# EAGLE board RedBoard-GiantPanel-v21 (EAGLE 6.5.0), part 1 of 4 (continued)
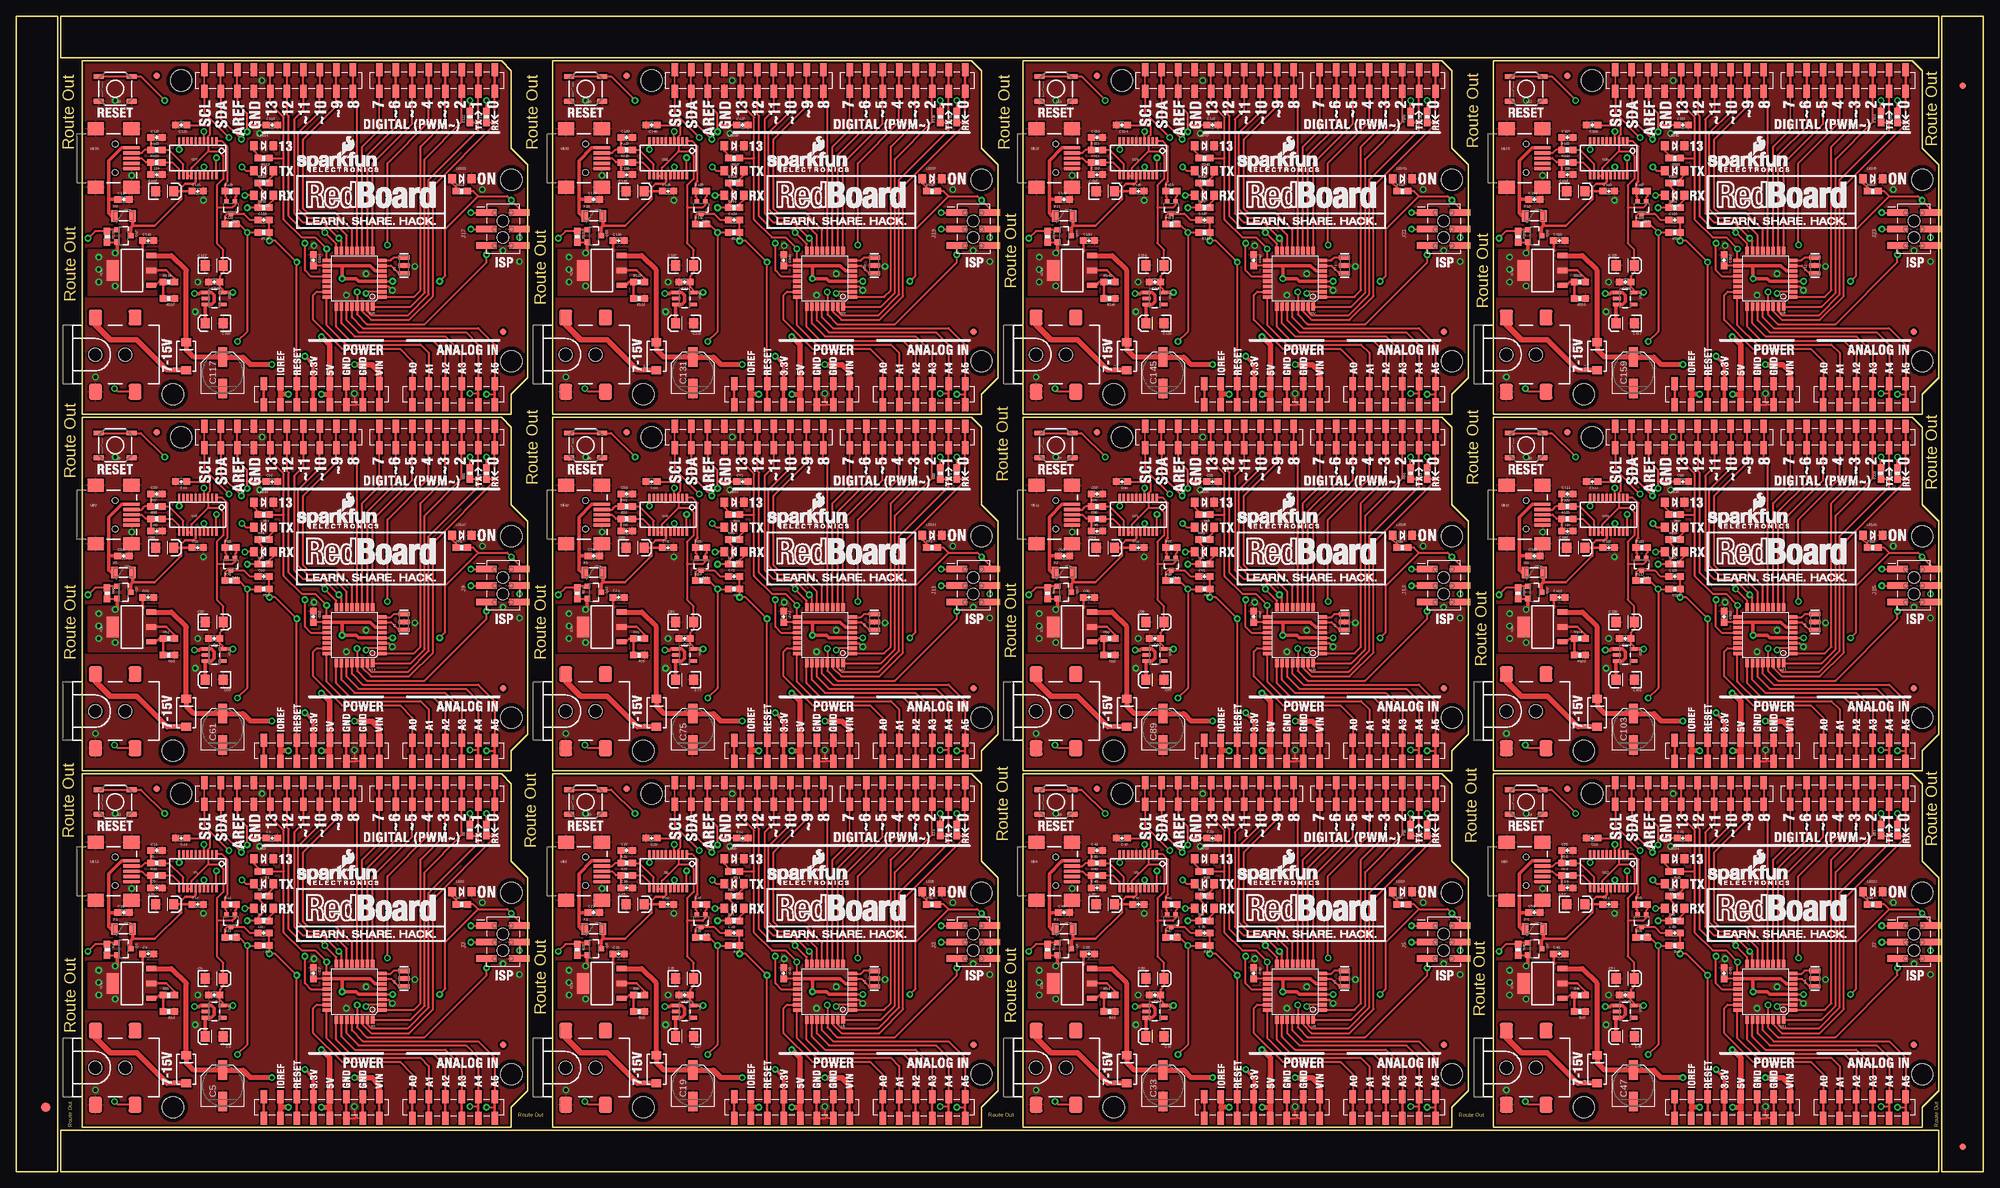
[diagram p0: board, top side]
## Placement (x,y rotation side) (continued)
JP11  STAND-OFF  [STAND-OFF]  96.52,9.91 0 top
JP12  STAND-OFF  [STAND-OFF]  148.59,14.99 0 top
JP13  STAND-OFF  [STAND-OFF]  148.59,42.93 0 top
JP14  STAND-OFF  [STAND-OFF]  97.79,58.17 0 top
JP15  FIDUCIAL1X2  [FIDUCIAL-1X2]  147.32,19.56 0 top
JP16  FIDUCIAL1X2  [FIDUCIAL-1X2]  93.98,58.93 0 top
JP17  M10SMD_COMBO  [1X10_SMD_COMBINED]  101.35,58.17 0 top
JP18  [1X08_SMD_COMBINED']  128.27,9.91 180 top
JP19  LOGO-SFENW2  [SFE-NEW-WEB]  115.6,44.07 0 top
JP20  LOGO-SFESK  [SFE-LOGO-FLAME]  122.58,46.74 0 top
JP21  STAND-OFF  [STAND-OFF]  168.91,9.91 0 top
JP22  STAND-OFF  [STAND-OFF]  220.98,14.99 0 top
JP23  STAND-OFF  [STAND-OFF]  220.98,42.93 0 top
JP24  STAND-OFF  [STAND-OFF]  170.18,58.17 0 top
JP25  FIDUCIAL1X2  [FIDUCIAL-1X2]  219.71,19.56 0 top
JP26  FIDUCIAL1X2  [FIDUCIAL-1X2]  166.37,58.93 0 top
JP27  M10SMD_COMBO  [1X10_SMD_COMBINED]  173.74,58.17 0 top
JP28  [1X08_SMD_COMBINED']  200.66,9.91 180 top
JP29  LOGO-SFENW2  [SFE-NEW-WEB]  187.99,44.07 0 top
JP30  LOGO-SFESK  [SFE-LOGO-FLAME]  194.97,46.74 0 top
JP31  STAND-OFF  [STAND-OFF]  241.3,9.91 0 top
JP32  STAND-OFF  [STAND-OFF]  293.37,14.99 0 top
JP33  STAND-OFF  [STAND-OFF]  293.37,42.93 0 top
JP34  STAND-OFF  [STAND-OFF]  242.57,58.17 0 top
JP35  FIDUCIAL1X2  [FIDUCIAL-1X2]  292.1,19.56 0 top
JP36  FIDUCIAL1X2  [FIDUCIAL-1X2]  238.76,58.93 0 top
JP37  M10SMD_COMBO  [1X10_SMD_COMBINED]  246.13,58.17 0 top
JP38  [1X08_SMD_COMBINED']  273.05,9.91 180 top
JP39  LOGO-SFENW2  [SFE-NEW-WEB]  260.38,44.07 0 top
JP40  LOGO-SFESK  [SFE-LOGO-FLAME]  267.36,46.74 0 top
JP41  STAND-OFF  [STAND-OFF]  24.13,64.77 0 top
JP42  STAND-OFF  [STAND-OFF]  76.2,69.85 0 top
JP43  STAND-OFF  [STAND-OFF]  76.2,97.79 0 top
JP44  STAND-OFF  [STAND-OFF]  25.4,113.03 0 top
JP45  FIDUCIAL1X2  [FIDUCIAL-1X2]  74.93,74.42 0 top
JP46  FIDUCIAL1X2  [FIDUCIAL-1X2]  21.59,113.79 0 top
JP47  M10SMD_COMBO  [1X10_SMD_COMBINED]  28.96,113.03 0 top
JP48  [1X08_SMD_COMBINED']  55.88,64.77 180 top
JP49  LOGO-SFENW2  [SFE-NEW-WEB]  43.21,98.93 0 top
JP50  LOGO-SFESK  [SFE-LOGO-FLAME]  50.19,101.6 0 top
JP51  STAND-OFF  [STAND-OFF]  96.52,64.77 0 top
JP52  STAND-OFF  [STAND-OFF]  148.59,69.85 0 top
JP53  STAND-OFF  [STAND-OFF]  148.59,97.79 0 top
JP54  STAND-OFF  [STAND-OFF]  97.79,113.03 0 top
JP55  FIDUCIAL1X2  [FIDUCIAL-1X2]  147.32,74.42 0 top
JP56  FIDUCIAL1X2  [FIDUCIAL-1X2]  93.98,113.79 0 top
JP57  M10SMD_COMBO  [1X10_SMD_COMBINED]  101.35,113.03 0 top
JP58  [1X08_SMD_COMBINED']  128.27,64.77 180 top
JP59  LOGO-SFENW2  [SFE-NEW-WEB]  115.6,98.93 0 top
JP60  LOGO-SFESK  [SFE-LOGO-FLAME]  122.58,101.6 0 top
JP61  STAND-OFF  [STAND-OFF]  168.91,64.77 0 top
JP62  STAND-OFF  [STAND-OFF]  220.98,69.85 0 top
JP63  STAND-OFF  [STAND-OFF]  220.98,97.79 0 top
JP64  STAND-OFF  [STAND-OFF]  170.18,113.03 0 top
JP65  FIDUCIAL1X2  [FIDUCIAL-1X2]  219.71,74.42 0 top
JP66  FIDUCIAL1X2  [FIDUCIAL-1X2]  166.37,113.79 0 top
JP67  M10SMD_COMBO  [1X10_SMD_COMBINED]  173.74,113.03 0 top
JP68  [1X08_SMD_COMBINED']  200.66,64.77 180 top
JP69  LOGO-SFENW2  [SFE-NEW-WEB]  187.99,98.93 0 top
JP70  LOGO-SFESK  [SFE-LOGO-FLAME]  194.97,101.6 0 top
JP71  STAND-OFF  [STAND-OFF]  241.3,64.77 0 top
JP72  STAND-OFF  [STAND-OFF]  293.37,69.85 0 top
JP73  STAND-OFF  [STAND-OFF]  293.37,97.79 0 top
JP74  STAND-OFF  [STAND-OFF]  242.57,113.03 0 top
JP75  FIDUCIAL1X2  [FIDUCIAL-1X2]  292.1,74.42 0 top
JP76  FIDUCIAL1X2  [FIDUCIAL-1X2]  238.76,113.79 0 top
JP77  M10SMD_COMBO  [1X10_SMD_COMBINED]  246.13,113.03 0 top
JP78  [1X08_SMD_COMBINED']  273.05,64.77 180 top
JP79  LOGO-SFENW2  [SFE-NEW-WEB]  260.38,98.93 0 top
JP80  LOGO-SFESK  [SFE-LOGO-FLAME]  267.36,101.6 0 top
JP81  STAND-OFF  [STAND-OFF]  24.13,119.63 0 top
JP82  STAND-OFF  [STAND-OFF]  76.2,124.71 0 top
JP83  STAND-OFF  [STAND-OFF]  76.2,152.65 0 top
JP84  STAND-OFF  [STAND-OFF]  25.4,167.89 0 top
JP85  FIDUCIAL1X2  [FIDUCIAL-1X2]  74.93,129.29 0 top
JP86  FIDUCIAL1X2  [FIDUCIAL-1X2]  21.59,168.66 0 top
JP87  M10SMD_COMBO  [1X10_SMD_COMBINED]  28.96,167.89 0 top
JP88  [1X08_SMD_COMBINED']  55.88,119.63 180 top
JP89  LOGO-SFENW2  [SFE-NEW-WEB]  43.21,153.8 0 top
JP90  LOGO-SFESK  [SFE-LOGO-FLAME]  50.19,156.46 0 top
JP91  STAND-OFF  [STAND-OFF]  96.52,119.63 0 top
JP92  STAND-OFF  [STAND-OFF]  148.59,124.71 0 top
JP93  STAND-OFF  [STAND-OFF]  148.59,152.65 0 top
JP94  STAND-OFF  [STAND-OFF]  97.79,167.89 0 top
JP95  FIDUCIAL1X2  [FIDUCIAL-1X2]  147.32,129.29 0 top
JP96  FIDUCIAL1X2  [FIDUCIAL-1X2]  93.98,168.66 0 top
JP97  M10SMD_COMBO  [1X10_SMD_COMBINED]  101.35,167.89 0 top
JP98  [1X08_SMD_COMBINED']  128.27,119.63 180 top
JP99  LOGO-SFENW2  [SFE-NEW-WEB]  115.6,153.8 0 top
JP100  LOGO-SFESK  [SFE-LOGO-FLAME]  122.58,156.46 0 top
JP101  STAND-OFF  [STAND-OFF]  168.91,119.63 0 top
JP102  STAND-OFF  [STAND-OFF]  220.98,124.71 0 top
JP103  STAND-OFF  [STAND-OFF]  220.98,152.65 0 top
JP104  STAND-OFF  [STAND-OFF]  170.18,167.89 0 top
JP105  FIDUCIAL1X2  [FIDUCIAL-1X2]  219.71,129.29 0 top
JP106  FIDUCIAL1X2  [FIDUCIAL-1X2]  166.37,168.66 0 top
JP107  M10SMD_COMBO  [1X10_SMD_COMBINED]  173.74,167.89 0 top
JP108  [1X08_SMD_COMBINED']  200.66,119.63 180 top
JP109  LOGO-SFENW2  [SFE-NEW-WEB]  187.99,153.8 0 top
JP110  LOGO-SFESK  [SFE-LOGO-FLAME]  194.97,156.46 0 top
JP111  STAND-OFF  [STAND-OFF]  241.3,119.63 0 top
JP112  STAND-OFF  [STAND-OFF]  293.37,124.71 0 top
JP113  STAND-OFF  [STAND-OFF]  293.37,152.65 0 top
JP114  STAND-OFF  [STAND-OFF]  242.57,167.89 0 top
JP115  FIDUCIAL1X2  [FIDUCIAL-1X2]  292.1,129.29 0 top
JP116  FIDUCIAL1X2  [FIDUCIAL-1X2]  238.76,168.66 0 top
JP117  M10SMD_COMBO  [1X10_SMD_COMBINED]  246.13,167.89 0 top
JP118  [1X08_SMD_COMBINED']  273.05,119.63 180 top
JP119  LOGO-SFENW2  [SFE-NEW-WEB]  260.38,153.8 0 top
JP120  LOGO-SFESK  [SFE-LOGO-FLAME]  267.36,156.46 0 top
LED1  Blue  [LED-1206-NO_SILK]  38.1,48.13 0 top
LED2  Green  [LED-1206-NO_SILK]  68.58,43.05 0 top
LED3  Red  [LED-1206-NO_SILK]  38.1,40.51 180 top
LED4  Yellow  [LED-1206-NO_SILK]  38.1,44.32 180 top
LED5  Green  [LED-1206-NO_SILK]  140.97,43.05 0 top
LED6  Blue  [LED-1206-NO_SILK]  110.49,48.13 0 top
LED7  Yellow  [LED-1206-NO_SILK]  110.49,44.32 180 top
LED8  Red  [LED-1206-NO_SILK]  110.49,40.51 180 top
LED9  Green  [LED-1206-NO_SILK]  213.36,43.05 0 top
LED10  Blue  [LED-1206-NO_SILK]  182.88,48.13 0 top
LED11  Yellow  [LED-1206-NO_SILK]  182.88,44.32 180 top
LED12  Red  [LED-1206-NO_SILK]  182.88,40.51 180 top
LED13  Green  [LED-1206-NO_SILK]  285.75,43.05 0 top
LED14  Blue  [LED-1206-NO_SILK]  255.27,48.13 0 top
LED15  Yellow  [LED-1206-NO_SILK]  255.27,44.32 180 top
LED16  Red  [LED-1206-NO_SILK]  255.27,40.51 180 top
LED17  Green  [LED-1206-NO_SILK]  68.58,97.92 0 top
LED18  Blue  [LED-1206-NO_SILK]  38.1,103 0 top
LED19  Yellow  [LED-1206-NO_SILK]  38.1,99.19 180 top
LED20  Red  [LED-1206-NO_SILK]  38.1,95.38 180 top
LED21  Green  [LED-1206-NO_SILK]  140.97,97.92 0 top
LED22  Blue  [LED-1206-NO_SILK]  110.49,103 0 top
LED23  Yellow  [LED-1206-NO_SILK]  110.49,99.19 180 top
LED24  Red  [LED-1206-NO_SILK]  110.49,95.38 180 top
LED25  Green  [LED-1206-NO_SILK]  213.36,97.92 0 top
LED26  Blue  [LED-1206-NO_SILK]  182.88,103 0 top
LED27  Yellow  [LED-1206-NO_SILK]  182.88,99.19 180 top
LED28  Red  [LED-1206-NO_SILK]  182.88,95.38 180 top
LED29  Green  [LED-1206-NO_SILK]  285.75,97.92 0 top
LED30  Blue  [LED-1206-NO_SILK]  255.27,103 0 top
LED31  Yellow  [LED-1206-NO_SILK]  255.27,99.19 180 top
LED32  Red  [LED-1206-NO_SILK]  255.27,95.38 180 top
LED33  Green  [LED-1206-NO_SILK]  68.58,152.78 0 top
LED34  Blue  [LED-1206-NO_SILK]  38.1,157.86 0 top
LED35  Yellow  [LED-1206-NO_SILK]  38.1,154.05 180 top
LED36  Red  [LED-1206-NO_SILK]  38.1,150.24 180 top
LED37  Green  [LED-1206-NO_SILK]  140.97,152.78 0 top
LED38  Blue  [LED-1206-NO_SILK]  110.49,157.86 0 top
LED39  Yellow  [LED-1206-NO_SILK]  110.49,154.05 180 top
LED40  Red  [LED-1206-NO_SILK]  110.49,150.24 180 top
LED41  Green  [LED-1206-NO_SILK]  213.36,152.78 0 top
LED42  Blue  [LED-1206-NO_SILK]  182.88,157.86 0 top
LED43  Yellow  [LED-1206-NO_SILK]  182.88,154.05 180 top
LED44  Red  [LED-1206-NO_SILK]  182.88,150.24 180 top
LED45  Green  [LED-1206-NO_SILK]  285.75,152.78 0 top
LED46  Blue  [LED-1206-NO_SILK]  255.27,157.86 0 top
LED47  Yellow  [LED-1206-NO_SILK]  255.27,154.05 180 top
LED48  Red  [LED-1206-NO_SILK]  255.27,150.24 180 top
Q1  ZXMP6A13FTA  [SOT23-3]  16.51,34.29 270 top
Q2  2N7002PW  [SOT323]  33.02,38.61 180 top
Q3  ZXMP6A13FTA  [SOT23-3]  88.9,34.29 270 top
Q4  2N7002PW  [SOT323]  105.41,38.61 180 top
Q5  ZXMP6A13FTA  [SOT23-3]  161.29,34.29 270 top
Q6  2N7002PW  [SOT323]  177.8,38.61 180 top
Q7  ZXMP6A13FTA  [SOT23-3]  233.68,34.29 270 top
Q8  2N7002PW  [SOT323]  250.19,38.61 180 top
Q9  ZXMP6A13FTA  [SOT23-3]  16.51,89.15 270 top
Q10  2N7002PW  [SOT323]  33.02,93.47 180 top
Q11  ZXMP6A13FTA  [SOT23-3]  88.9,89.15 270 top
Q12  2N7002PW  [SOT323]  105.41,93.47 180 top
Q13  ZXMP6A13FTA  [SOT23-3]  161.29,89.15 270 top
Q14  2N7002PW  [SOT323]  177.8,93.47 180 top
Q15  ZXMP6A13FTA  [SOT23-3]  233.68,89.15 270 top
Q16  2N7002PW  [SOT323]  250.19,93.47 180 top
Q17  ZXMP6A13FTA  [SOT23-3]  16.51,144.02 270 top
Q18  2N7002PW  [SOT323]  33.02,148.34 180 top
Q19  ZXMP6A13FTA  [SOT23-3]  88.9,144.02 270 top
Q20  2N7002PW  [SOT323]  105.41,148.34 180 top
Q21  ZXMP6A13FTA  [SOT23-3]  161.29,144.02 270 top
Q22  2N7002PW  [SOT323]  177.8,148.34 180 top
Q23  ZXMP6A13FTA  [SOT23-3]  233.68,144.02 270 top
Q24  2N7002PW  [SOT323]  250.19,148.34 180 top
R1  1k  [0603-RES]  38.1,46.23 180 top
R2  1k  [0603-RES]  68.58,41.15 0 top
R3  10k  [0603-RES]  38.1,34.8 180 top
R4  10k  [0603-RES]  13.97,34.16 270 top
R5  27  [0603-RES]  21.59,47.5 0 top
R6  1k  [0603-RES]  38.1,38.61 0 top
R7  1k  [0603-RES]  38.1,42.42 0 top
R8  1k  [0603-RES]  72.39,52.58 90 top
R9  1k  [0603-RES]  69.85,52.58 90 top
R10  27  [0603-RES]  21.59,45.59 0 top
R11  10k  [0603-RES]  33.02,41.15 0 top
R12  10k  [0603-RES]  33.02,36.07 0 top
R13  1k  [0603-RES]  110.49,46.23 180 top
R14  715  [0603-RES]  23.5,24.64 180 top
R15  240  [0603-RES]  23.5,27.18 0 top
R16  1k  [0603-RES]  140.97,41.15 0 top
R17  10k  [0603-RES]  110.49,34.8 180 top
R18  10k  [0603-RES]  86.36,34.16 270 top
R19  715  [0603-RES]  95.89,24.64 180 top
R20  240  [0603-RES]  95.89,27.18 0 top
R21  1k  [0603-RES]  110.49,38.61 0 top
R22  1k  [0603-RES]  110.49,42.42 0 top
R23  1k  [0603-RES]  144.78,52.58 90 top
R24  1k  [0603-RES]  142.24,52.58 90 top
R25  27  [0603-RES]  93.98,47.5 0 top
R26  27  [0603-RES]  93.98,45.59 0 top
R27  10k  [0603-RES]  105.41,41.15 0 top
R28  10k  [0603-RES]  105.41,36.07 0 top
R29  1k  [0603-RES]  182.88,46.23 180 top
R30  1k  [0603-RES]  213.36,41.15 0 top
R31  10k  [0603-RES]  182.88,34.8 180 top
R32  10k  [0603-RES]  158.75,34.16 270 top
R33  715  [0603-RES]  168.28,24.64 180 top
R34  240  [0603-RES]  168.28,27.18 0 top
R35  1k  [0603-RES]  182.88,38.61 0 top
R36  1k  [0603-RES]  182.88,42.42 0 top
R37  1k  [0603-RES]  217.17,52.58 90 top
R38  1k  [0603-RES]  214.63,52.58 90 top
R39  27  [0603-RES]  166.37,47.5 0 top
R40  27  [0603-RES]  166.37,45.59 0 top
R41  10k  [0603-RES]  177.8,41.15 0 top
R42  10k  [0603-RES]  177.8,36.07 0 top
R43  1k  [0603-RES]  255.27,46.23 180 top
R44  1k  [0603-RES]  285.75,41.15 0 top
R45  10k  [0603-RES]  255.27,34.8 180 top
R46  10k  [0603-RES]  231.14,34.16 270 top
R47  715  [0603-RES]  240.66,24.64 180 top
R48  240  [0603-RES]  240.66,27.18 0 top
R49  1k  [0603-RES]  255.27,38.61 0 top
R50  1k  [0603-RES]  255.27,42.42 0 top
R51  1k  [0603-RES]  289.56,52.58 90 top
R52  1k  [0603-RES]  287.02,52.58 90 top
R53  27  [0603-RES]  238.76,47.5 0 top
R54  27  [0603-RES]  238.76,45.59 0 top
R55  10k  [0603-RES]  250.19,41.15 0 top
R56  10k  [0603-RES]  250.19,36.07 0 top
R57  1k  [0603-RES]  38.1,101.09 180 top
R58  1k  [0603-RES]  68.58,96.01 0 top
R59  10k  [0603-RES]  38.1,89.66 180 top
R60  10k  [0603-RES]  13.97,89.03 270 top
R61  715  [0603-RES]  23.5,79.5 180 top
R62  240  [0603-RES]  23.5,82.04 0 top
R63  1k  [0603-RES]  38.1,93.47 0 top
R64  1k  [0603-RES]  38.1,97.28 0 top
R65  1k  [0603-RES]  72.39,107.44 90 top
R66  1k  [0603-RES]  69.85,107.44 90 top
R67  27  [0603-RES]  21.59,102.36 0 top
R68  27  [0603-RES]  21.59,100.46 0 top
R69  10k  [0603-RES]  33.02,96.01 0 top
R70  10k  [0603-RES]  33.02,90.93 0 top
R71  1k  [0603-RES]  110.49,101.09 180 top
R72  1k  [0603-RES]  140.97,96.01 0 top
R73  10k  [0603-RES]  110.49,89.66 180 top
R74  10k  [0603-RES]  86.36,89.03 270 top
R75  715  [0603-RES]  95.89,79.5 180 top
R76  240  [0603-RES]  95.89,82.04 0 top
R77  1k  [0603-RES]  110.49,93.47 0 top
R78  1k  [0603-RES]  110.49,97.28 0 top
R79  1k  [0603-RES]  144.78,107.44 90 top
R80  1k  [0603-RES]  142.24,107.44 90 top
R81  27  [0603-RES]  93.98,102.36 0 top
R82  27  [0603-RES]  93.98,100.46 0 top
R83  10k  [0603-RES]  105.41,96.01 0 top
R84  10k  [0603-RES]  105.41,90.93 0 top
R85  1k  [0603-RES]  182.88,101.09 180 top
R86  1k  [0603-RES]  213.36,96.01 0 top
R87  10k  [0603-RES]  182.88,89.66 180 top
R88  10k  [0603-RES]  158.75,89.03 270 top
R89  715  [0603-RES]  168.28,79.5 180 top
R90  240  [0603-RES]  168.28,82.04 0 top
R91  1k  [0603-RES]  182.88,93.47 0 top
R92  1k  [0603-RES]  182.88,97.28 0 top
R93  1k  [0603-RES]  217.17,107.44 90 top
R94  1k  [0603-RES]  214.63,107.44 90 top
R95  27  [0603-RES]  166.37,102.36 0 top
R96  27  [0603-RES]  166.37,100.46 0 top
R97  10k  [0603-RES]  177.8,96.01 0 top
R98  10k  [0603-RES]  177.8,90.93 0 top
R99  1k  [0603-RES]  255.27,101.09 180 top
R100  1k  [0603-RES]  285.75,96.01 0 top
R101  10k  [0603-RES]  255.27,89.66 180 top
R102  10k  [0603-RES]  231.14,89.03 270 top
R103  715  [0603-RES]  240.66,79.5 180 top
R104  240  [0603-RES]  240.66,82.04 0 top
R105  1k  [0603-RES]  255.27,93.47 0 top
R106  1k  [0603-RES]  255.27,97.28 0 top
R107  1k  [0603-RES]  289.56,107.44 90 top
R108  1k  [0603-RES]  287.02,107.44 90 top
R109  27  [0603-RES]  238.76,102.36 0 top
R110  27  [0603-RES]  238.76,100.46 0 top
R111  10k  [0603-RES]  250.19,96.01 0 top
R112  10k  [0603-RES]  250.19,90.93 0 top
R113  1k  [0603-RES]  38.1,155.96 180 top
R114  1k  [0603-RES]  68.58,150.88 0 top
R115  10k  [0603-RES]  38.1,144.53 180 top
R116  10k  [0603-RES]  13.97,143.89 270 top
R117  715  [0603-RES]  23.5,134.37 180 top
R118  240  [0603-RES]  23.5,136.91 0 top
R119  1k  [0603-RES]  38.1,148.34 0 top
R120  1k  [0603-RES]  38.1,152.15 0 top
R121  1k  [0603-RES]  72.39,162.31 90 top
R122  1k  [0603-RES]  69.85,162.31 90 top
R123  27  [0603-RES]  21.59,157.23 0 top
R124  27  [0603-RES]  21.59,155.32 0 top
R125  10k  [0603-RES]  33.02,150.88 0 top
R126  10k  [0603-RES]  33.02,145.8 0 top
R127  1k  [0603-RES]  110.49,155.96 180 top
R128  1k  [0603-RES]  140.97,150.88 0 top
R129  10k  [0603-RES]  110.49,144.53 180 top
R130  10k  [0603-RES]  86.36,143.89 270 top
R131  715  [0603-RES]  95.89,134.37 180 top
R132  240  [0603-RES]  95.89,136.91 0 top
R133  1k  [0603-RES]  110.49,148.34 0 top
R134  1k  [0603-RES]  110.49,152.15 0 top
R135  1k  [0603-RES]  144.78,162.31 90 top
R136  1k  [0603-RES]  142.24,162.31 90 top
R137  27  [0603-RES]  93.98,157.23 0 top
R138  27  [0603-RES]  93.98,155.32 0 top
R139  10k  [0603-RES]  105.41,150.88 0 top
R140  10k  [0603-RES]  105.41,145.8 0 top
R141  1k  [0603-RES]  182.88,155.96 180 top
R142  1k  [0603-RES]  213.36,150.88 0 top
R143  10k  [0603-RES]  182.88,144.53 180 top
R144  10k  [0603-RES]  158.75,143.89 270 top
R145  715  [0603-RES]  168.28,134.37 180 top
R146  240  [0603-RES]  168.28,136.91 0 top
R147  1k  [0603-RES]  182.88,148.34 0 top
R148  1k  [0603-RES]  182.88,152.15 0 top
R149  1k  [0603-RES]  217.17,162.31 90 top
R150  1k  [0603-RES]  214.63,162.31 90 top
R151  27  [0603-RES]  166.37,157.23 0 top
R152  27  [0603-RES]  166.37,155.32 0 top
R153  10k  [0603-RES]  177.8,150.88 0 top
R154  10k  [0603-RES]  177.8,145.8 0 top
R155  1k  [0603-RES]  255.27,155.96 180 top
R156  1k  [0603-RES]  285.75,150.88 0 top
R157  10k  [0603-RES]  255.27,144.53 180 top
R158  10k  [0603-RES]  231.14,143.89 270 top
R159  715  [0603-RES]  240.66,134.37 180 top
R160  240  [0603-RES]  240.66,136.91 0 top
R161  1k  [0603-RES]  255.27,148.34 0 top
R162  1k  [0603-RES]  255.27,152.15 0 top
R163  1k  [0603-RES]  289.56,162.31 90 top
R164  1k  [0603-RES]  287.02,162.31 90 top
R165  27  [0603-RES]  238.76,157.23 0 top
R166  27  [0603-RES]  238.76,155.32 0 top
R167  10k  [0603-RES]  250.19,150.88 0 top
R168  10k  [0603-RES]  250.19,145.8 0 top
S1  RESET  [TACTILE_SWITCH_SMD]  15.24,56.9 180 top
S2  RESET  [TACTILE_SWITCH_SMD]  87.63,56.9 180 top
S3  RESET  [TACTILE_SWITCH_SMD]  160.02,56.9 180 top
S4  RESET  [TACTILE_SWITCH_SMD]  232.41,56.9 180 top
S5  RESET  [TACTILE_SWITCH_SMD]  15.24,111.76 180 top
S6  RESET  [TACTILE_SWITCH_SMD]  87.63,111.76 180 top
S7  RESET  [TACTILE_SWITCH_SMD]  160.02,111.76 180 top
S8  RESET  [TACTILE_SWITCH_SMD]  232.41,111.76 180 top
S9  RESET  [TACTILE_SWITCH_SMD]  15.24,166.62 180 top
S10  RESET  [TACTILE_SWITCH_SMD]  87.63,166.62 180 top
S11  RESET  [TACTILE_SWITCH_SMD]  160.02,166.62 180 top
S12  RESET  [TACTILE_SWITCH_SMD]  232.41,166.62 180 top
TP1  TP-3x5  [PAD.03X.05]  76.2,37.85 0 bottom
TP2  TP-3x5  [PAD.03X.05]  76.2,35.31 0 bottom
TP3  TP-3x5  [PAD.03X.05]  76.2,32.77 0 bottom
TP4  TP-3x5  [PAD.03X.05]  73.66,37.85 0 bottom
TP5  TP-3x5  [PAD.03X.05]  73.66,35.31 0 bottom
TP6  TP-3x5  [PAD.03X.05]  73.66,32.77 0 bottom
TP7  TP-3x5  [PAD.03X.05]  148.59,37.85 0 bottom
TP8  TP-3x5  [PAD.03X.05]  148.59,35.31 0 bottom
TP9  TP-3x5  [PAD.03X.05]  148.59,32.77 0 bottom
TP10  TP-3x5  [PAD.03X.05]  146.05,37.85 0 bottom
TP11  TP-3x5  [PAD.03X.05]  146.05,35.31 0 bottom
TP12  TP-3x5  [PAD.03X.05]  146.05,32.77 0 bottom
TP13  TP-3x5  [PAD.03X.05]  220.98,37.85 0 bottom
TP14  TP-3x5  [PAD.03X.05]  220.98,35.31 0 bottom
TP15  TP-3x5  [PAD.03X.05]  220.98,32.77 0 bottom
TP16  TP-3x5  [PAD.03X.05]  218.44,37.85 0 bottom
TP17  TP-3x5  [PAD.03X.05]  218.44,35.31 0 bottom
TP18  TP-3x5  [PAD.03X.05]  218.44,32.77 0 bottom
TP19  TP-3x5  [PAD.03X.05]  293.37,37.85 0 bottom
TP20  TP-3x5  [PAD.03X.05]  293.37,35.31 0 bottom
TP21  TP-3x5  [PAD.03X.05]  293.37,32.77 0 bottom
TP22  TP-3x5  [PAD.03X.05]  290.83,37.85 0 bottom
TP23  TP-3x5  [PAD.03X.05]  290.83,35.31 0 bottom
TP24  TP-3x5  [PAD.03X.05]  290.83,32.77 0 bottom
TP25  TP-3x5  [PAD.03X.05]  76.2,92.71 0 bottom
TP26  TP-3x5  [PAD.03X.05]  76.2,90.17 0 bottom
TP27  TP-3x5  [PAD.03X.05]  76.2,87.63 0 bottom
TP28  TP-3x5  [PAD.03X.05]  73.66,92.71 0 bottom
TP29  TP-3x5  [PAD.03X.05]  73.66,90.17 0 bottom
TP30  TP-3x5  [PAD.03X.05]  73.66,87.63 0 bottom
TP31  TP-3x5  [PAD.03X.05]  148.59,92.71 0 bottom
TP32  TP-3x5  [PAD.03X.05]  148.59,90.17 0 bottom
TP33  TP-3x5  [PAD.03X.05]  148.59,87.63 0 bottom
TP34  TP-3x5  [PAD.03X.05]  146.05,92.71 0 bottom
TP35  TP-3x5  [PAD.03X.05]  146.05,90.17 0 bottom
TP36  TP-3x5  [PAD.03X.05]  146.05,87.63 0 bottom
TP37  TP-3x5  [PAD.03X.05]  220.98,92.71 0 bottom
TP38  TP-3x5  [PAD.03X.05]  220.98,90.17 0 bottom
TP39  TP-3x5  [PAD.03X.05]  220.98,87.63 0 bottom
TP40  TP-3x5  [PAD.03X.05]  218.44,92.71 0 bottom
TP41  TP-3x5  [PAD.03X.05]  218.44,90.17 0 bottom
TP42  TP-3x5  [PAD.03X.05]  218.44,87.63 0 bottom
TP43  TP-3x5  [PAD.03X.05]  293.37,92.71 0 bottom
TP44  TP-3x5  [PAD.03X.05]  293.37,90.17 0 bottom
TP45  TP-3x5  [PAD.03X.05]  293.37,87.63 0 bottom
TP46  TP-3x5  [PAD.03X.05]  290.83,92.71 0 bottom
TP47  TP-3x5  [PAD.03X.05]  290.83,90.17 0 bottom
TP48  TP-3x5  [PAD.03X.05]  290.83,87.63 0 bottom
TP49  TP-3x5  [PAD.03X.05]  76.2,147.57 0 bottom
TP50  TP-3x5  [PAD.03X.05]  76.2,145.03 0 bottom
TP51  TP-3x5  [PAD.03X.05]  76.2,142.49 0 bottom
TP52  TP-3x5  [PAD.03X.05]  73.66,147.57 0 bottom
TP53  TP-3x5  [PAD.03X.05]  73.66,145.03 0 bottom
TP54  TP-3x5  [PAD.03X.05]  73.66,142.49 0 bottom
TP55  TP-3x5  [PAD.03X.05]  148.59,147.57 0 bottom
TP56  TP-3x5  [PAD.03X.05]  148.59,145.03 0 bottom
TP57  TP-3x5  [PAD.03X.05]  148.59,142.49 0 bottom
TP58  TP-3x5  [PAD.03X.05]  146.05,147.57 0 bottom
TP59  TP-3x5  [PAD.03X.05]  146.05,145.03 0 bottom
TP60  TP-3x5  [PAD.03X.05]  146.05,142.49 0 bottom
TP61  TP-3x5  [PAD.03X.05]  220.98,147.57 0 bottom
TP62  TP-3x5  [PAD.03X.05]  220.98,145.03 0 bottom
TP63  TP-3x5  [PAD.03X.05]  220.98,142.49 0 bottom
TP64  TP-3x5  [PAD.03X.05]  218.44,147.57 0 bottom
TP65  TP-3x5  [PAD.03X.05]  218.44,145.03 0 bottom
TP66  TP-3x5  [PAD.03X.05]  218.44,142.49 0 bottom
TP67  TP-3x5  [PAD.03X.05]  293.37,147.57 0 bottom
TP68  TP-3x5  [PAD.03X.05]  293.37,145.03 0 bottom
TP69  TP-3x5  [PAD.03X.05]  293.37,142.49 0 bottom
TP70  TP-3x5  [PAD.03X.05]  290.83,147.57 0 bottom
TP71  TP-3x5  [PAD.03X.05]  290.83,145.03 0 bottom
TP72  TP-3x5  [PAD.03X.05]  290.83,142.49 0 bottom
U1  FT231XS  [SSOP20_L]  27.94,46.23 180 top
U2  MIC5205  [SOT23-5]  30.48,24.64 270 top
U3  ATMEGA328  [TQFP32-08]  52.07,27.69 180 top
U4  MIC5205  [SOT23-5]  102.87,24.64 270 top
U5  ATMEGA328  [TQFP32-08]  124.46,27.69 180 top
U6  FT231XS  [SSOP20_L]  100.33,46.23 180 top
U7  MIC5205  [SOT23-5]  175.26,24.64 270 top
U8  ATMEGA328  [TQFP32-08]  196.85,27.69 180 top
U9  FT231XS  [SSOP20_L]  172.72,46.23 180 top
U10  MIC5205  [SOT23-5]  247.65,24.64 270 top
U11  ATMEGA328  [TQFP32-08]  269.24,27.69 180 top
U12  FT231XS  [SSOP20_L]  245.11,46.23 180 top
U13  MIC5205  [SOT23-5]  30.48,79.5 270 top
U14  ATMEGA328  [TQFP32-08]  52.07,82.55 180 top
U15  FT231XS  [SSOP20_L]  27.94,101.09 180 top
U16  MIC5205  [SOT23-5]  102.87,79.5 270 top
U17  ATMEGA328  [TQFP32-08]  124.46,82.55 180 top
U18  FT231XS  [SSOP20_L]  100.33,101.09 180 top
U19  MIC5205  [SOT23-5]  175.26,79.5 270 top
U20  ATMEGA328  [TQFP32-08]  196.85,82.55 180 top
U21  FT231XS  [SSOP20_L]  172.72,101.09 180 top
U22  MIC5205  [SOT23-5]  247.65,79.5 270 top
U23  ATMEGA328  [TQFP32-08]  269.24,82.55 180 top
U24  FT231XS  [SSOP20_L]  245.11,101.09 180 top
U25  MIC5205  [SOT23-5]  30.48,134.37 270 top
U26  ATMEGA328  [TQFP32-08]  52.07,137.41 180 top
U27  FT231XS  [SSOP20_L]  27.94,155.96 180 top
U28  MIC5205  [SOT23-5]  102.87,134.37 270 top
U29  ATMEGA328  [TQFP32-08]  124.46,137.41 180 top
U30  FT231XS  [SSOP20_L]  100.33,155.96 180 top
U31  MIC5205  [SOT23-5]  175.26,134.37 270 top
U32  ATMEGA328  [TQFP32-08]  196.85,137.41 180 top
U33  FT231XS  [SSOP20_L]  172.72,155.96 180 top
U34  MIC5205  [SOT23-5]  247.65,134.37 270 top
U35  ATMEGA328  [TQFP32-08]  269.24,137.41 180 top
U36  FT231XS  [SSOP20_L]  245.11,155.96 180 top
U$1  OSHW-LOGOS  [OSHW-LOGO-S]  85.09,59.18 0 bottom
U$2  USB-MINIB-5PIN  [USB-MINIB]  87.63,46.23 0 top
U$3  OSHW-LOGOS  [OSHW-LOGO-S]  157.48,59.18 0 bottom
U$4  USB-MINIB-5PIN  [USB-MINIB]  160.02,46.23 0 top
U$5  OSHW-LOGOS  [OSHW-LOGO-S]  229.87,59.18 0 bottom
U$6  USB-MINIB-5PIN  [USB-MINIB]  232.41,46.23 0 top
U$7  OSHW-LOGOS  [OSHW-LOGO-S]  12.7,114.05 0 bottom
U$8  USB-MINIB-5PIN  [USB-MINIB]  15.24,101.09 0 top
U$9  OSHW-LOGOS  [OSHW-LOGO-S]  85.09,114.05 0 bottom
U$10  USB-MINIB-5PIN  [USB-MINIB]  87.63,101.09 0 top
U$11  OSHW-LOGOS  [OSHW-LOGO-S]  157.48,114.05 0 bottom
U$12  USB-MINIB-5PIN  [USB-MINIB]  160.02,101.09 0 top
U$13  USB-MINIB-5PIN  [USB-MINIB]  15.24,46.23 0 top
U$14  OSHW-LOGOS  [OSHW-LOGO-S]  229.87,114.05 0 bottom
U$15  USB-MINIB-5PIN  [USB-MINIB]  232.41,101.09 0 top
U$16  OSHW-LOGOS  [OSHW-LOGO-S]  12.7,59.18 0 bottom
U$17  OSHW-LOGOS  [OSHW-LOGO-S]  12.7,168.91 0 bottom
U$18  USB-MINIB-5PIN  [USB-MINIB]  15.24,155.96 0 top
U$19  OSHW-LOGOS  [OSHW-LOGO-S]  85.09,168.91 0 bottom
U$20  USB-MINIB-5PIN  [USB-MINIB]  87.63,155.96 0 top
U$21  OSHW-LOGOS  [OSHW-LOGO-S]  157.48,168.91 0 bottom
U$22  USB-MINIB-5PIN  [USB-MINIB]  160.02,155.96 0 top
U$23  OSHW-LOGOS  [OSHW-LOGO-S]  229.87,168.91 0 bottom
U$24  USB-MINIB-5PIN  [USB-MINIB]  232.41,155.96 0 top
Y1  16MHz  [RESONATOR-SMD]  59.69,29.72 90 top
Y2  16MHz  [RESONATOR-SMD]  132.08,29.72 90 top
Y3  16MHz  [RESONATOR-SMD]  204.47,29.72 90 top
Y4  16MHz  [RESONATOR-SMD]  276.86,29.72 90 top
Y5  16MHz  [RESONATOR-SMD]  59.69,84.58 90 top
Y6  16MHz  [RESONATOR-SMD]  132.08,84.58 90 top
Y7  16MHz  [RESONATOR-SMD]  204.47,84.58 90 top
Y8  16MHz  [RESONATOR-SMD]  276.86,84.58 90 top
Y9  16MHz  [RESONATOR-SMD]  59.69,139.45 90 top
Y10  16MHz  [RESONATOR-SMD]  132.08,139.45 90 top
Y11  16MHz  [RESONATOR-SMD]  204.47,139.45 90 top
Y12  16MHz  [RESONATOR-SMD]  276.86,139.45 90 top

## Library data of the parts
AD AD1-AD11 C1-C8 C10-C12 C14 C16-C23 C25 C28-C37 C39 C42-C51 C53 C56-C65 C67 C70-C79 C81 C84-C93 C95 C98-C107 C109 C112-C121 C123 C126-C135 C137 C140-C149 C151 C154-C163 C165 C168 D1-D12 F1-F12 IOL IOL1-IOL11 JP3-JP6 JP8 JP9 JP11-JP16 JP21-JP26 JP31-JP36 JP41-JP46 JP51-JP56 JP61-JP66 JP71-JP76 JP81-JP86 JP91-JP96 JP101-JP106 JP111-JP116 Q1 Q3 Q5 Q7 Q9 Q11 Q13 Q15 Q17 Q19 Q21 Q23 R1-R4 R6-R9 R11-R24 R27-R38 R41-R52 R55-R66 R69-R80 R83-R94 R97-R108 R111-R122 R125-R136 R139-R150 R153-R164 R167 R168 S1-S12 U2-U5 U7 U8 U10 U11 U13 U14 U16 U17 U19 U20 U22 U23 U25 U26 U28 U29 U31 U32 U34 U35 = SparkFun
C9 C13 C26 C27 C40 C41 C54 C55 C68 C69 C82 C83 C96 C97 C110 C111 C124 C125 C138 C139 C152 C153 C166 C167 = SparkFun-Capacitors; PROD_ID: CAP-08913
C15 C24 C38 C52 C66 C80 C94 C108 C122 C136 C150 C164 = SparkFun-Capacitors
E$1 E$4 E$5 JP1 JP7 JP19 JP20 JP29 JP30 JP39 JP40 JP49 JP50 JP59 JP60 JP69 JP70 JP79 JP80 JP89 JP90 JP99 JP100 JP109 JP110 JP119 JP120 U$1 U$3 U$5 U$7 U$9 U$11 U$14 U$16 U$17 U$19 U$21 U$23 = SparkFun-Aesthetics
IC1-IC12 J1 J4 J6 J8 J10 J12 J14 J16 J18 J20 J22 J24 = Testing
J2 J3 J5 J7 J9 J11 J13 J15 J17 J19 J21 J23 JP2 JP10 JP17 JP18 JP27 JP28 JP37 JP38 JP47 JP48 JP57 JP58 JP67 JP68 JP77 JP78 JP87 JP88 JP97 JP98 JP107 JP108 JP117 JP118 U$2 U$4 U$6 U$8 U$10 U$12 U$13 U$15 U$18 U$20 U$22 U$24 = SparkFun-Connectors
LED1-LED48 = SparkFun-LED
Q2 Q4 Q6 Q8 Q10 Q12 Q14 Q16 Q18 Q20 Q22 Q24 = SparkFun-DiscreteSemi; PROD_ID: TRANS-11151
R5 R10 R25 R26 R39 R40 R53 R54 R67 R68 R81 R82 R95 R96 R109 R110 R123 R124 R137 R138 R151 R152 R165 R166 = SparkFun-Resistors
TP1-TP72 = SparkFun-Passives
U1 U6 U9 U12 U15 U18 U21 U24 U27 U30 U33 U36 = SparkFun-DigitalIC
Y1-Y12 = SparkFun-FreqCtrl